# Altium PCB PROC054D_MMWCAS_RF_EVM_ASCII.PcbDoc (part 4 of 13) (continued)
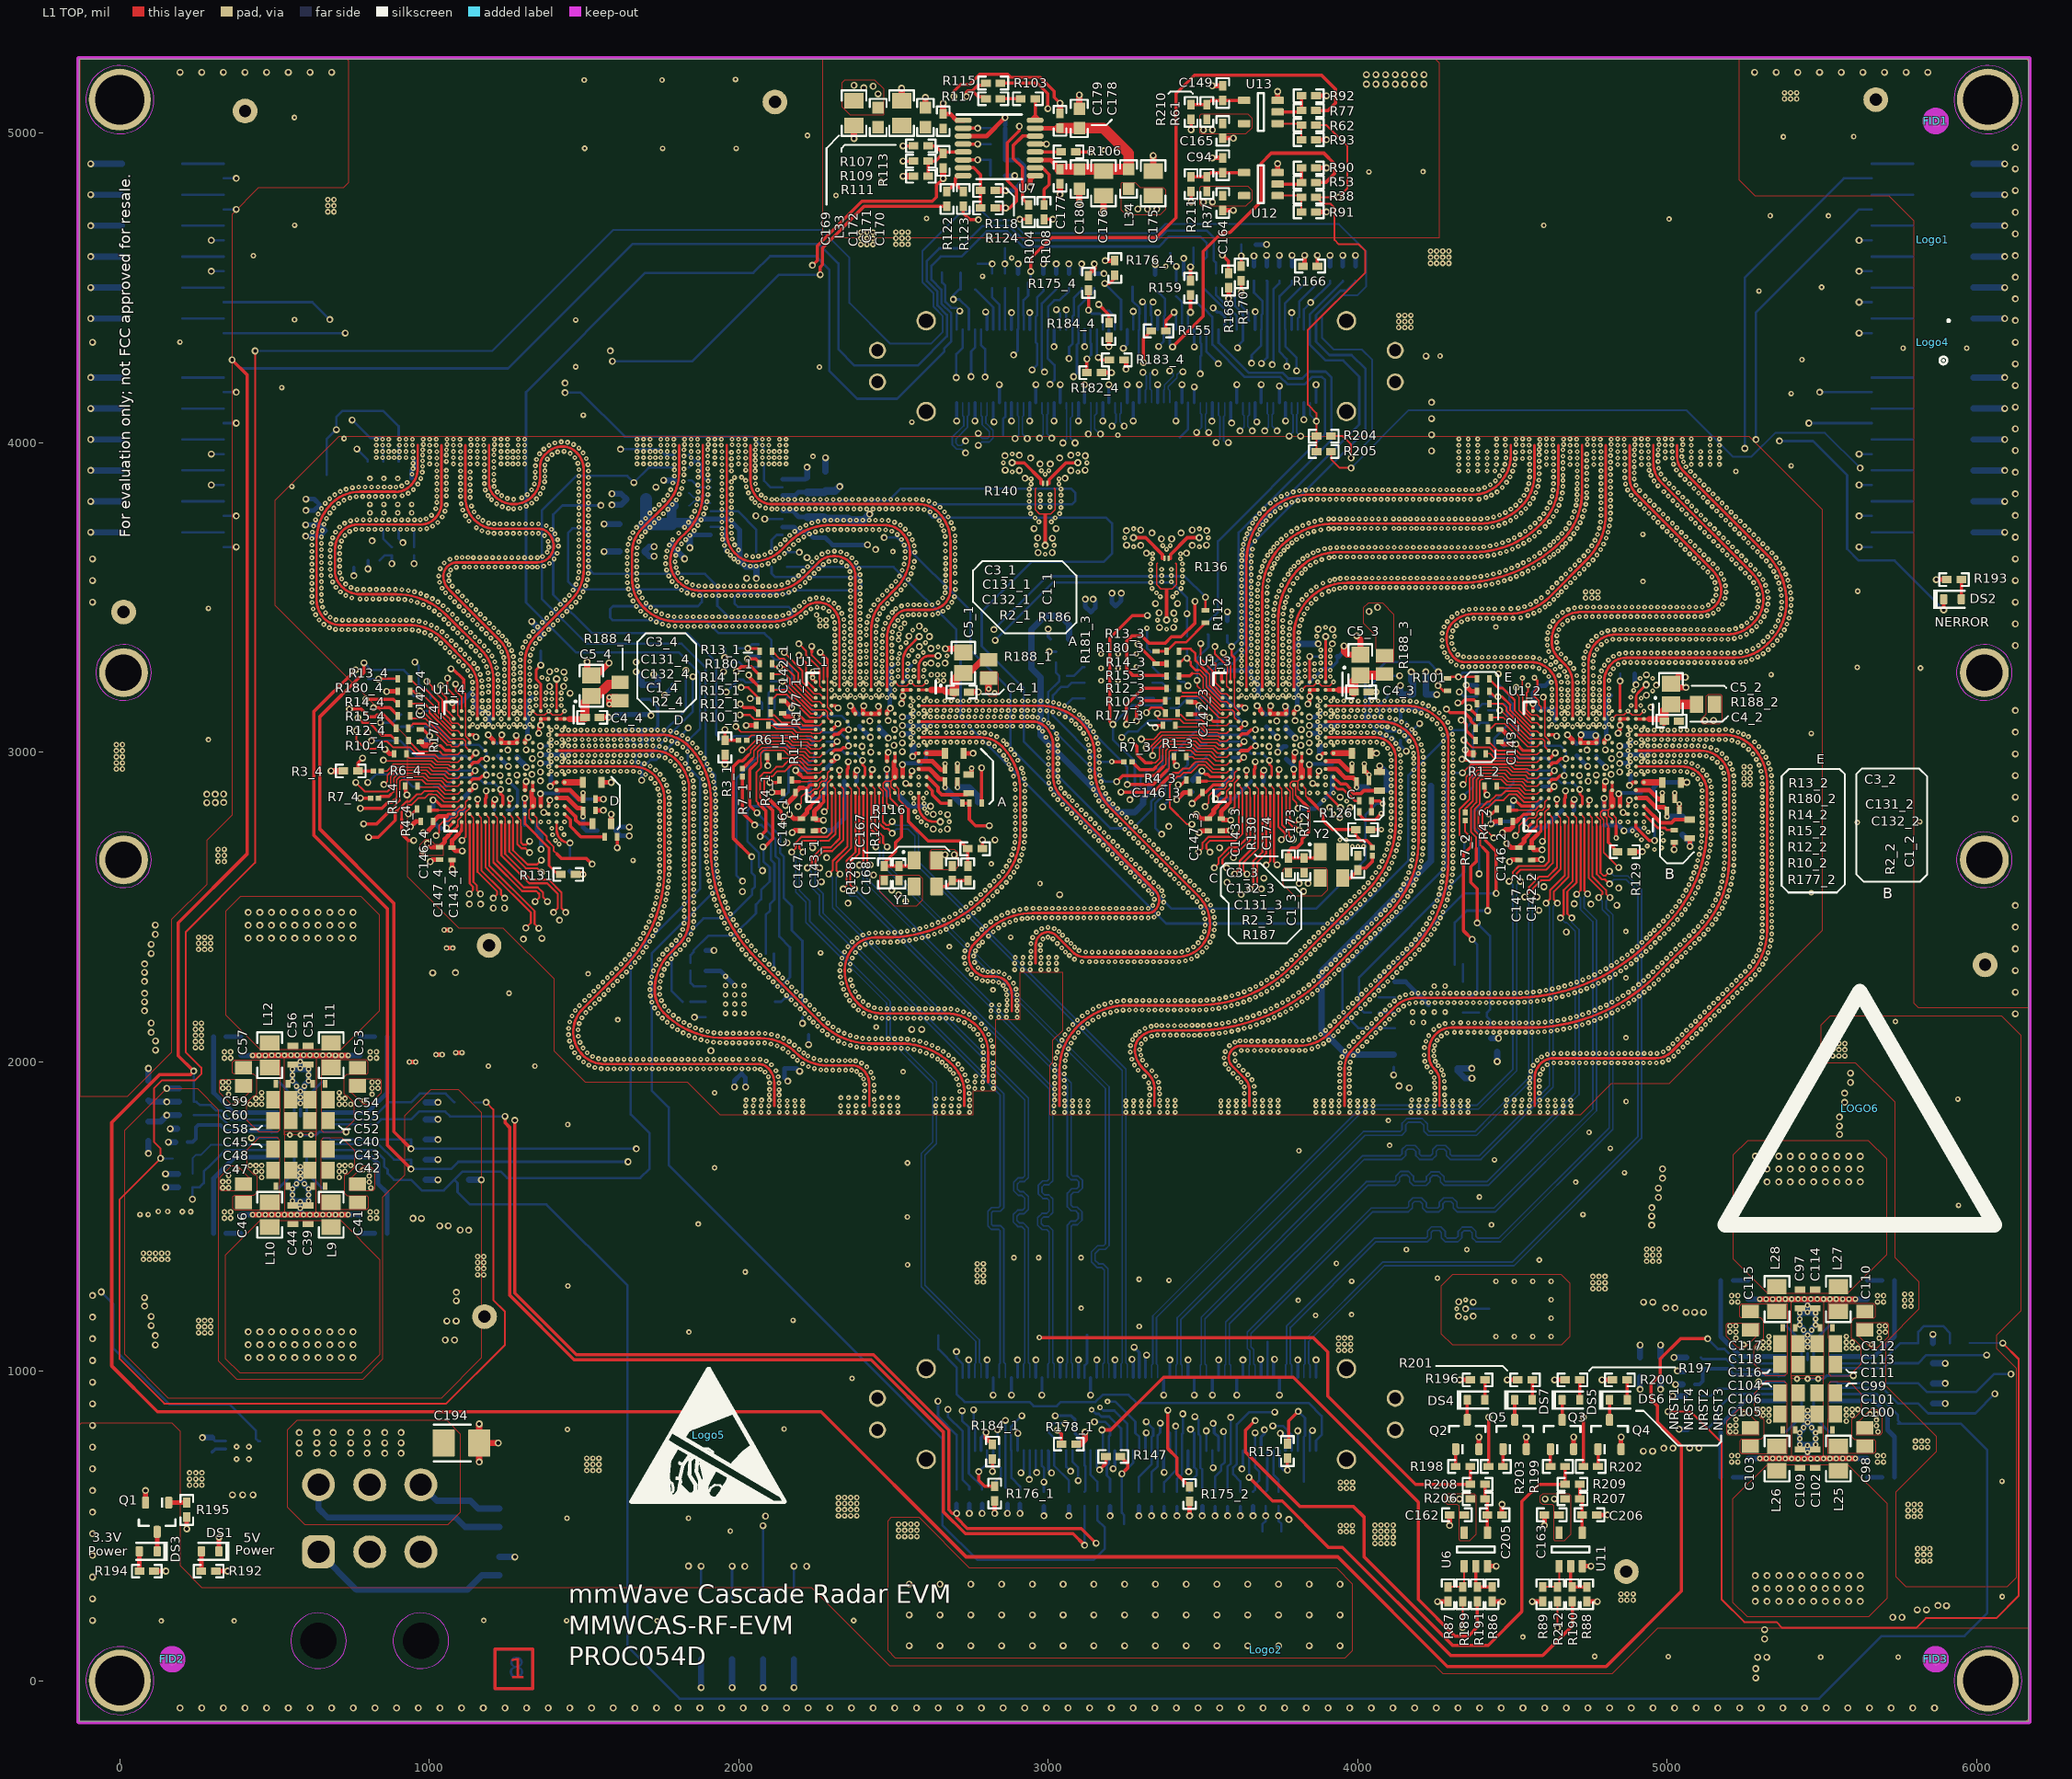
[diagram p0: L1 TOP view]
## Nets (pads, with @x,y where several pads share a name; then routed paths per layer and width w, separated by ;. In a path a pad name is that pad's centre, name@x,y a point inside that pad or via, vN(x,y) a via of type N, cw(c..) or ccw(c..) an arc to the next point about the centre after c; other vN are vias at no path point) (continued)
  L6 SIGNAL 3 w6.9: v2(2263.49,3322.67) 2263.49,3353.32 2239.48,3377.33 2142.06,3377.33 2107.9,3411.49 1990.67,3411.49 1924.73,3345.55 1924.73,3229.2 1860.85,3165.32 1860.85,3063.81 1829.96,3032.91 1829.96,2544.05 1697.85,2411.94 1697.85,1434.39 2495.79,636.45 2838.87,636.45 2986.34,783.92 3039.73,783.92 3054.85,799.04 v2(3054.85,830.65)
  L8 BOTTOM w7.75: v2(3054.85,830.65) 3053.5,832 3010,832 3001,823 3001,803 3019.17,784.83 3019.17,694.84 3067,647.01 R179_1.1@3067,610.42
AWR_1_UART_TX: J4.78 R11_1.1 R178_1.1 | length 3825.5
  L1 TOP w10.5: v2(3030,809.77) 3043.1,796.67 R178_1.1@3043.1,764
  L6 SIGNAL 3 w6.9: v2(1959.74,3193.74) 1911.83,3193.74 1874.64,3156.55 1874.64,3055.33 1843.95,3024.65 1843.95,2530.52 1723.87,2410.44 1723.87,1439.96 2511.93,651.9 2829.9,651.9 2987.77,809.77 v2(3030,809.77)
  L8 BOTTOM w7.75: v2(1959.74,3193.74) 1999.75,3233.75 2014.57,3233.75 2023.28,3225.04 2060.35,3225.04 R11_1.1@2064.31,3229 ; v2(3030,809.77) 3038.86,800.91 J4.78@3038.86,743.02
AWR_1_WARM_RST: J4.86 R174_1.1 U1_1.N12 | length 3041.5
  L1 TOP w4: v2(2192,2824) 2202.75,2834.75 2202.75,2855.28 2216.48,2869 2231,2869 2243,2881 2253.48,2881 2261.85,2889.37 2261.85,2899.14 2269.17,2906.46 2278.94,2906.46 2287.44,2914.96 2287.44,2932.64 U1_1.N12@2299.94,2945.13
  L6 SIGNAL 3 w6.9: v2(2192,2824) 2192,2803.17 2204.96,2790.2 2204.96,2762.94 2263.8,2704.1 2263.8,2675.75 2238.1,2650.05 2207.48,2650.05 2189.84,2632.41 2189.84,2577.22 2574.81,2192.26 2610.54,2192.26 2668.91,2133.89 2668.91,1292.88 2771.9,1189.89 2934.01,1189.89 2994.74,1129.16 2994.74,990.71 v2(3149.41,836.04)
  L8 BOTTOM w7.75: v2(3149.41,836.04) 3183.91,836.04 3200,819.95 3200,793 3196.34,789.34 3196.34,701.15 3189.35,694.16 3189.35,663.12 3200,652.47 R174_1.1@3200,610.42
AWR_1_XTAL_CLKM: C168.2 R128.1 U1_1.F14 Y1.1 | length 408.2
  L1 TOP w4: U1_1.F14@2479.07,2893.95 2484,2889.02 2484,2884.99 2489.57,2879.43 2489.57,2864.17
  L1 TOP w6: 2489.57,2864.17 2489.57,2850.64 2525.62,2814.59 2525.62,2802.6
  L1 TOP w10.5: 2525.62,2802.6 2525.62,2726.44 2507.02,2707.84 2507.02,2678.68 2470.68,2642.34 R128.1@2470.68,2631.9 C168.2@2518.3,2631.9 2548.69,2631.9 Y1.1@2567.11,2650.32
AWR_1_XTAL_CLKP: R116.2 R121.2 U1_1.E14 | length 420.2
  L1 TOP w4: U1_1.E14@2504.67,2893.95 2517.17,2881.45 2517.17,2859.55
  L1 TOP w6: 2517.17,2859.55 2517.17,2846.9 2548.46,2815.61
  L1 TOP w10.5: 2548.46,2815.61 2548.46,2775.91 2611.66,2712.71 2715.12,2712.71 R116.2@2740.15,2687.68 R121.2@2740.15,2631.9
AWR_1_XTALP_RS: C167.1 R121.1 Y1.3 | length 108.1
  L1 TOP w10.5: Y1.3@2639.95,2565.68 2671.43,2565.68 C167.1@2690.4,2584.65 R121.1@2740.15,2584.65
AWR_1V4_APLL_1: C3_1.1 U1_1.A10 | length 59.5
  L1 TOP w20: U1_1.A10@2607.03,2996.31 C3_1.1@2666.55,2996.31
AWR_1V4_APLL_2: C3_2.1 U1_2.A10 | length 59.5
  L1 TOP w20: U1_2.A10@4925.03,2902.32 C3_2.1@4984.55,2902.32
AWR_1V4_APLL_3: C3_3.1 U1_3.A10 | length 59.5
  L1 TOP w20: U1_3.A10@3922.03,2996.31 C3_3.1@3981.55,2996.31
AWR_1V4_APLL_4: C3_4.1 U1_4.A10 | length 59.5
  L1 TOP w20: U1_4.A10@1437.03,2902.31 C3_4.1@1496.55,2902.31
AWR_1V4_SYNTH_1: C1_1.1 U1_1.A13 | length 167.9
  L1 TOP w12: U1_1.A13@2607.03,2919.54 2609.65,2919.54 2643.63,2885.56 2643.63,2874.72 2655.97,2862.38 2737.61,2862.38 C1_1.1@2742.78,2867.55
AWR_1V4_SYNTH_2: C1_2.1 U1_2.A13 | length 176.2
  L1 TOP w12: U1_2.A13@4925.03,2825.54 4979.41,2771.17 5013.68,2771.17 5024.35,2781.83 C1_2.1@5073.3,2781.83 C1_2.1@5074.3,2781.83
AWR_1V4_SYNTH_3: C1_3.1 U1_3.A13 | length 178.7
  L1 TOP w10: U1_3.A13@3922.03,2919.54 3944.68,2896.89 3962.36,2896.89 3975.53,2883.72 3975.53,2877.84 3987.05,2866.33 4011.38,2866.33 ; C1_3.1@4070.8,2875.83 C1_3.1@4071.3,2875.83
  L1 TOP w12: 4011.38,2866.33 4020.89,2875.83 C1_3.1@4070.8,2875.83
AWR_1V4_SYNTH_4: C1_4.1 U1_4.A13 | length 120.8
  L1 TOP w12: U1_4.A13@1437.03,2825.54 1439.65,2825.54 1473.63,2791.56 1473.63,2780.72 1485.97,2768.38 C1_4.1@1527.76,2768.38
AWR_2_1V0_RF1_FILT: C79.1 C80.1 C83.1 C136_2.1 C137_2.1 C138_2.1 C139_2.1 L20.2 U1_2.G5 U1_2.H5 U1_2.J5 | length 173.1
  L1 TOP w15: v2(4722.09,3055.57) 4720.3,3053.78 U1_2.J5@4720.3,3030.27 U1_2.G5@4771.48,3030.27 4771.48,3046.51 4769.34,3048.65 v2(4769.34,3053.83)
  L8 BOTTOM w25: v2(4722.09,3055.57) 4767.6,3055.57 v2(4769.34,3053.83) 4772.38,3050.79 C136_2.1@4772.38,3031.63
  other v3: 5809.67,387.13 5829.35,387.13 5849.04,387.13 5809.67,406.82 5829.35,406.82 5849.04,406.82 5809.67,426.5 5829.35,426.5 5849.04,426.5 5535.39,2018.67 5555.07,2018.67 5574.76,2018.67 5535.39,2038.36 5555.07,2038.36 5574.76,2038.36 5535.39,2058.04 5555.07,2058.04 5574.76,2058.04 4737.01,3498.22 4756.69,3498.22 4776.38,3498.22 4737.01,3517.91 4756.69,3517.91 4776.38,3517.91
AWR_2_1V0_RF2_FILT: C85.1 C140_2.1 C141_2.1 C166.1 C201.1 L21.2 R188_2.2 U1_2.C2 U1_2.D2 | length 74.2
  L1 TOP w12: v2(4842,3061) 4842,3066 4848.25,3072.25 v2(4848.25,3087.15) 4848.25,3107.04 U1_2.C2@4873.85,3107.04
  other v2: 5122.68,3102.3 5150.17,3102.3
  other v3: 5778.93,530.15 5798.61,530.15 5818.3,530.15 5778.93,549.83 5798.61,549.83 5818.3,549.83 5778.93,569.52 5798.61,569.52 5818.3,569.52 5248.79,2894.28 5268.48,2894.28 5248.79,2913.96 5268.48,2913.96 5248.79,2933.65 5268.48,2933.65 5248.79,2953.33 5268.48,2953.33
AWR_2_1V2_FILT: C71.1 C72.1 C73.1 C142_2.1 C143_2.1 C144_2.1 C145_2.1 C146_2.1 C147_2.1 L17.2 U1_2.F13 U1_2.N11 U1_2.P14 U1_2.P15 U1_2.R6 U1_2.R14 | length 700.3
  L1 TOP w4: 4579.5,2763.69 4579.5,2779.5 4592.35,2792.35 U1_2.P14@4592.35,2799.95
  L1 TOP w8: 4571.43,2752.28 4579.5,2760.36 4579.5,2763.69 ; 4592.35,2751.01 U1_2.P15@4592.35,2774.36
  L1 TOP w10: v2(4512,3026) 4514,3026 4535.32,3004.68 U1_2.R6@4566.76,3004.68 ; 4520,2783 4536,2799 4548,2799 4548.96,2799.96 U1_2.R14@4566.76,2799.95 ; 4548.75,2729.6 4571.43,2752.28 ; 4582.25,2734.86 4592.35,2744.95 4592.35,2751.01
  L1 TOP w12: v2(4796.51,2850.72) 4796.51,2843.18 4797.07,2842.62 U1_2.F13@4797.07,2825.55
  L1 TOP w15: C143_2.1@4459.99,3033.71 4468.7,3025 4511,3025 v2(4512,3026) ; v2(4468,2740) 4478,2750 4493,2750 4501.58,2758.58 C146_2.1@4501.58,2776 4513,2776 4520,2783 ; v2(4482,2705) 4495.42,2691.58 C147_2.1@4521,2691.58 ; C147_2.1@4521,2693 4538,2710 4538,2718.86 4548.75,2729.6 ; 4582.25,2734.86 4562,2714.6 C142_2.1@4562,2691.58 4569.28,2684.3 v2(4596,2684.3) ; U1_2.N11@4617.94,2876.73 4623.02,2876.73 v2(4635.19,2888.9)
  L8 BOTTOM w12: C144_2.1@4596.3,2888.9 v2(4635.19,2888.9)
  L8 BOTTOM w15: C145_2.1@4796.51,2803.84 v2(4796.51,2850.72)
  other v3: 4760.3,1266.47 4779.98,1266.47 4799.67,1266.47 4760.3,1286.15 4779.98,1286.15 4799.67,1286.15 4760.3,1305.84 4779.98,1305.84 4799.67,1305.84
AWR_2_1V8_FILT: C75.1 C76.1 C77.1 C128_2.1 C129_2.1 C130_2.1 C131_2.1 C132_2.1 C133_2.1 C134_2.1 C135_2.1 L18.2 U1_2.B11 U1_2.B12 U1_2.D13 U1_2.F5 U1_2.K5 U1_2.K13 | length 719.1
  L1 TOP w8: v2(4843.79,2865.6) v2@4845.02,2866.83
  L1 TOP w12: U1_2.B12@4899.44,2851.13 4908.67,2851.13
  L1 TOP w15: v2@4678.39,3055.45 4694.71,3039.13 U1_2.K5@4694.71,3030.27 ; U1_2.K13@4694.71,2825.55 4694.71,2841.82 v2(4700.03,2847.14) ; U1_2.F5@4797.07,3030.27 4797.07,3036.78 v2(4807.99,3047.7) ; v2(4843.79,2865.6) 4843.79,2859.7 4848.25,2855.24 U1_2.D13@4848.25,2825.55 ; U1_2.B11@4899.44,2876.73 4943.64,2876.73 4972.35,2848.02 C131_2.1@4984.84,2848.02 v3(4984.84,2868.39) ; 4908.67,2851.13 4934.49,2851.13 4962.9,2822.72 4989.18,2822.72 C132_2.1@4999.84,2812.06 v3(4999.84,2791.69)
  L8 BOTTOM w12: v2(4843.79,2865.6) 4846.19,2868 C134_2.1@4916.09,2868
  L8 BOTTOM w15: v2(4678.39,3055.45) 4706.15,3027.69 C129_2.1@4707.89,3027.69 ; C135_2.1@4699.3,2812 v2@4699.3,2846.41 ; v2(4807.99,3047.7) 4803.23,3052.46 C128_2.1@4803.23,3125.03 4803.23,3169.13 C130_2.1@4817.9,3183.8
  L8 BOTTOM w20: v3(4999.84,2791.69) C133_2.1@5050.19,2791.69
AWR_2_BSS_LOGGER: J4.103 R14_2.1 | length 3131.9
  L1 TOP w10.5: v2(4324,3159) 4336.84,3159 4346.84,3169 4376.09,3169 R14_2.1@4388.09,3157
  L6 SIGNAL 3 w6.9: v2(3533,688) 3469.33,751.67 3399.76,751.67 3339.79,811.63 3339.79,956.28 3368.57,985.06 3368.57,1813.48 4002.57,2447.49 4002.57,2645.1 4122.53,2765.06 4122.53,2909.53 4306.11,3093.11 4306.11,3116.58 4326.36,3136.83 v2@4326.36,3161.36
  L8 BOTTOM w7.75: J4.103@3530.98,743.02 3530.98,690.02 v2(3533,688)
AWR_2_CSI2_CLK_N: J4.50 U1_2.J14 | length 2638.5
  L1 TOP w4: U1_2.J14@4720.3,2799.95 4732.89,2787.37 4732.89,2768.68
  L1 TOP w6.5: 4732.89,2768.68 4732.89,2552.11 v2(4743,2542)
  L8 BOTTOM w5.25: J4.50@3668.78,979.24 3668.78,1019.05 3664,1023.83 3664,1069.26 3655.29,1077.97 3655.29,1121.25 4048.78,1514.73 4164.46,1514.73 4177.11,1527.39 4177.11,1541.03 4183.67,1547.59 4202.22,1547.59 4209.92,1539.89 4209.92,1526.46 4221.7,1514.68 4263.03,1514.68 ; 4263.37,1514.76 4276.08,1527.47 4276.08,1541.11 4282.64,1547.67 4302.05,1547.67 4308.89,1540.83 4308.89,1526.63 4320.78,1514.73 4445.8,1514.73 4772.26,1841.19 4772.26,2456.72 4732,2496.98 4732,2531 v2(4743,2542)
AWR_2_CSI2_CLK_P: J4.49 U1_2.J15 | length 2609.1
  L1 TOP w6.5: v2(4708,2541) 4720.89,2553.89 4720.89,2773.78 U1_2.J15@4720.3,2774.36
  L8 BOTTOM w5.25: J4.49@3649.09,979.24 3649.09,1019.37 3652,1022.28 3652,1064.29 3643.29,1073 3643.29,1126.22 4043.81,1526.73 4159.49,1526.73 4165.11,1532.36 4165.11,1546 4178.7,1559.59 4207.19,1559.59 4221.92,1544.86 4221.92,1531.43 4226.67,1526.68 4258.32,1526.68 4264.08,1532.44 4264.08,1546.09 4277.67,1559.67 4307.02,1559.67 4320.89,1545.8 4320.89,1531.6 4325.75,1526.73 4440.83,1526.73 4760.26,1846.16 4760.26,2451.75 4720,2492.01 4720,2529 v2(4708,2541)
AWR_2_CSI2_TX0_N: J4.59 U1_2.G14 | length 2631.7
  L1 TOP w4: U1_2.G14@4771.48,2799.95 4771.48,2792.52 4784.58,2779.42 4784.58,2760.51
  L1 TOP w6.5: 4784.58,2760.51 4784.58,2610.42 4794,2601 4801.2,2601 v2(4814,2614.8)
  L8 BOTTOM w5.25: J4.59@3845.94,979.24 3845.94,1020.37 3841.9,1024.41 3841.9,1096.24 4086.26,1340.61 4505.65,1340.61 4917.46,1752.42 4917.46,2555.99 4873.26,2600.19 4828.61,2600.19 v2(4814,2614.8)
AWR_2_CSI2_TX0_P: J4.58 U1_2.G15 | length 2601
  L1 TOP w6.5: U1_2.G15@4771.48,2774.36 4772.07,2773.78 4772.07,2761.02 4772.58,2760.51 4772.58,2605.44 4789.02,2589 4799,2589 v2(4814,2574)
  L8 BOTTOM w5.25: J4.58@3826.26,979.24 3826.26,1020.21 3829.9,1023.85 3829.9,1101.21 4081.29,1352.61 4500.68,1352.61 4905.46,1757.39 4905.46,2551.01 4868.29,2588.19 4828.19,2588.19 v2(4814,2574)
AWR_2_CSI2_TX1_N: J4.56 U1_2.H14 | length 2631
  L1 TOP w4: U1_2.H14@4745.89,2799.95 4758.48,2787.37 4758.48,2760
  L1 TOP w6.5: 4758.48,2760 4758.48,2598.5 4803,2553.98 4803,2542.4 v2(4815.4,2530)
  L8 BOTTOM w5.25: J4.56@3786.89,979.24 3786.89,1020.09 3782.8,1024.18 3782.8,1141.04 4059.79,1418.03 4225.71,1418.03 4238.01,1430.33 4238.01,1448.14 4243.74,1453.87 4264.3,1453.87 4270.82,1447.34 4270.82,1430.95 4284.25,1417.53 4323.22,1417.53 4336.98,1431.29 4336.98,1447.13 4343.24,1453.39 4363.52,1453.39 4369.79,1447.12 4369.79,1430.94 4383.1,1417.63 4461.62,1417.63 4824.71,1780.72 4824.71,2474.27 4803,2495.98 4803,2517.6 v2(4815.4,2530)
AWR_2_CSI2_TX1_P: J4.55 U1_2.H15 | length 2599.9
  L1 TOP w6.5: U1_2.H15@4745.89,2774.36 4746.48,2773.78 4746.48,2593.52 4791,2549 4791,2542 v2(4779,2530)
  L8 BOTTOM w5.25: J4.55@3767.2,979.24 3767.2,1019.9 3770.8,1023.5 3770.8,1146.01 4054.82,1430.03 4220.74,1430.03 4226.01,1435.3 4226.01,1453.11 4238.77,1465.87 4269.27,1465.87 4282.82,1452.31 4282.82,1435.92 4289.22,1429.53 4318.25,1429.53 4324.98,1436.26 4324.98,1452.1 4338.27,1465.39 4368.5,1465.39 4381.79,1452.09 4381.79,1435.91 4388.07,1429.63 4456.65,1429.63 4812.71,1785.69 4812.71,2469.3 4791,2491.01 4791,2518 v2(4779,2530)
AWR_2_CSI2_TX2_N: J4.46 U1_2.K14 | length 2631.7
  L1 TOP w4: U1_2.K14@4694.71,2799.95 4707.3,2787.37 4707.3,2764
  L1 TOP w6.5: v2(4691.96,2464) 4678,2477.96 4678,2549 4707.3,2578.3 4707.3,2764
  L8 BOTTOM w5.25: J4.46@3590.04,979.24 3590.04,1018.46 3585.7,1022.8 3585.7,1152.93 4032.94,1600.17 4122.87,1600.17 4135.51,1612.82 4135.51,1624.8 4143.74,1633.02 4160.39,1633.02 4168.32,1625.09 4168.32,1611.89 4180.11,1600.11 4221.44,1600.11 ; 4221.77,1600.19 4234.48,1612.9 4234.48,1623.93 4241.96,1631.4 4258.95,1631.4 4267.3,1623.05 4267.3,1612.06 4279.18,1600.17 4422.19,1600.17 4715.33,1893.31 4715.33,2426.66 4691.96,2450.03 v2(4691.96,2464)
AWR_2_CSI2_TX2_P: J4.45 U1_2.K15 | length 2612.9
  L1 TOP w6.5: v2(4655.56,2464) 4666,2474.44 4666,2553.98 4695.3,2583.28 4695.3,2773.78 U1_2.K15@4694.71,2774.36
  L8 BOTTOM w5.25: J4.45@3570.35,979.24 3570.35,1018.25 3573.7,1021.6 3573.7,1157.9 4027.97,1612.17 4117.9,1612.17 4123.51,1617.79 4123.51,1629.77 4138.77,1645.02 4165.37,1645.02 4180.32,1630.06 4180.32,1616.86 4185.08,1612.11 4216.72,1612.11 4222.48,1617.87 4222.48,1628.9 4236.99,1643.4 4263.92,1643.4 4279.3,1628.03 4279.3,1617.03 4284.15,1612.17 4417.22,1612.17 4703.33,1898.29 4703.33,2421.69 4676.02,2449 4670.56,2449 v2(4655.56,2464)
AWR_2_CSI2_TX3_N: J4.42 U1_2.L14 | length 2631
  L1 TOP w4: U1_2.L14@4669.12,2799.95 4681.71,2787.37 4681.71,2763.9
  L1 TOP w6.5: v2(4645.4,2512) 4634.3,2523.1 4634.3,2549.3 4681.71,2596.71 4681.71,2763.9
  L8 BOTTOM w5.25: J4.42@3511.3,979.24 3511.3,1018.83 3506.8,1023.33 3506.8,1169.07 4021.78,1684.05 4142.6,1684.05 4155.31,1696.76 4155.31,1710.41 4161.86,1716.96 4180.42,1716.96 4188.12,1709.27 4188.12,1695.83 4199.9,1684.05 4241.23,1684.05 ; 4241.57,1684.13 4254.28,1696.84 4254.28,1710.49 4260.83,1717.05 4279.39,1717.05 4287.09,1709.35 4287.09,1696 4299.04,1684.05 4398.76,1684.05 4632,1917.29 4632,2499.6 4644.4,2512 v2(4645.4,2512)
AWR_2_CSI2_TX3_P: J4.41 U1_2.L15 | length 2599.6
  L1 TOP w6.5: v2(4609,2512) 4622.3,2525.3 4622.3,2554.28 4669.71,2601.69 4669.71,2773.78 U1_2.L15@4669.12,2774.36
  L8 BOTTOM w5.25: J4.41@3491.61,979.24 3491.61,1018.86 3494.8,1022.05 3494.8,1174.04 4016.81,1696.05 4137.62,1696.05 4143.31,1701.73 4143.31,1715.38 4156.89,1728.96 4185.39,1728.96 4200.12,1714.24 4200.12,1700.8 4204.87,1696.05 4236.51,1696.05 4242.28,1701.81 4242.28,1715.46 4255.86,1729.05 4284.36,1729.05 4299.09,1714.32 4299.09,1700.97 4304.01,1696.05 4393.79,1696.05 4620,1922.26 4620,2500 4609,2511 v2(4609,2512)
AWR_2_DIG_SYNCIN: R133.2 R185_2.2 U1_2.N10 | length 3936
  L1 TOP w10.5: U1_2.N10@4617.94,2902.32 4628.04,2912.42 4642.59,2912.42 4654.16,2924 v2(4668,2924)
  L8 BOTTOM w7.75: R133.2@2155.48,3598.46 2500.19,3598.46 2703,3395.65 2703,3314.92 2716.94,3300.98 2716.94,3110.25 3381.23,2445.95 3960.85,2445.95 4164.02,2649.12 4164.02,2924.56 4309.95,3070.49 4342.75,3070.49 4384.4,3112.14 4384.4,3136.89 4403.69,3156.18 4473.32,3156.18 4483.8,3145.7 4483.8,3086.14 4442.28,3044.62 4442.28,2991.61 4452.84,2981.05 R185_2.2@4473.9,2981.05 4607.81,2981.05 4621.86,2967 4646.99,2967 4668,2945.99 v2(4668,2924)
AWR_2_DIG_SYNCIN_RS: R133.1 U8.14 | length 253.9
  L3 SIGNAL 1 w5.1: v2(2083.93,3753) 2191.23,3645.7 v2(2195.79,3645.7)
  L8 BOTTOM w7.75: v2(2083.93,3753) U8.14@2141.18,3753 ; R133.1@2155.48,3645.7 v2(2195.79,3645.7)
AWR_2_DIG_SYNCOUT: R1_2.1 R152.1 TP1_2.1 | length 3044.3
  L1 TOP w10.5: R1_2.1@4412.1,2890.99 4412.1,2867.89 v2(4418,2861.99)
  L6 SIGNAL 3 w6.9: v2(3744,532.56) 3732.91,521.46 3732.91,505.34 3744.98,493.27 3788.53,493.27 3803.17,507.91 3803.17,539.62 3765.49,577.29 3742.43,577.29 3733.1,586.62 3733.1,674.16 3644.21,763.05 3644.21,861.7 3667.25,884.74 3667.25,976.25 3709.98,1018.98 3709.98,1770.86 4259.38,2320.27 4259.38,2586.9 4363.53,2691.04 4406.64,2691.04 4415.06,2699.47 4415.06,2734.22 4427.49,2746.65 4440.17,2746.65 4451.46,2757.94 4451.46,2806.48 4418,2839.94 v2(4418,2861.99)
  L8 BOTTOM w7.75: R152.1@3744,563.18 v2(3744,532.56) 3744,516.18 3754,506.18 TP1_2.1@3754,481.94
AWR_2_FMCW_CLKOUT: R79.1 U1_2.B15 | length 132.7
  L1 TOP w10.5: U1_2.B15@4899.44,2774.36 4899.44,2757.56 4942.61,2714.39 v2(4959.41,2714.39)
  L8 BOTTOM w7.75: v2(4959.41,2714.39) R79.1@4959.41,2752.44
AWR_2_FMCW_SYNCOUT: R82.1 U1_2.D1 | length 120.9
  L1 TOP w8.4: U1_2.D1@4848.26,3132.63 v2(4848.26,3229.68)
  L8 BOTTOM w7.75: v2(4848.26,3229.68) R82.1@4848.26,3253.5
AWR_2_GPIO_0: J4.105 R16_2.2 U1_2.N4 | length 3163.3
  L1 TOP w10.5: U1_2.N4@4617.94,3055.86 4638.97,3055.86 v2(4643.09,3051.75)
  L6 SIGNAL 3 w6.9: v2(3566.68,804.67) 3555.65,815.7 3555.65,961.67 3590.83,996.86 3590.83,1801.03 4166.06,2376.27 4166.06,2606.38 4249.81,2690.14 4249.81,2771.27 4295.12,2816.58 4356.42,2816.58 4379.78,2839.94 4379.78,2962.49 4394.32,2977.02 4394.32,3063.38 4427.51,3096.57 4554.39,3096.57 4599.21,3051.75 v2(4643.09,3051.75)
  L8 BOTTOM w7.75: R16_2.2@3539,610.42 3539,658.79 3558.6,678.39 3558.6,693.37 3570.35,705.13 J4.105@3570.35,743.02 3570.35,801 v2(3566.68,804.67)
AWR_2_GPIO_1: J4.106 R17_2.2 U1_2.N7 | length 3146.2
  L1 TOP w10.5: U1_2.N7@4617.94,2979.09 4620.38,2979.09 v2(4638.69,2997.4)
  L6 SIGNAL 3 w6.9: v2(3589.93,850.67) 3567.55,873.05 3567.55,946.09 3608.52,987.07 3608.52,1785.11 4185.77,2362.36 4185.77,2605.64 4266.34,2686.21 4266.34,2761.98 4305.01,2800.65 4359.66,2800.65 4393.49,2834.47 4393.49,2953.95 4409.58,2970.04 4409.58,3058.25 4435.5,3084.17 4533.53,3084.17 4620.31,2997.4 v2(4638.69,2997.4)
  L8 BOTTOM w7.75: R17_2.2@3580,610.42 3580,692.09 3590.04,702.12 J4.106@3590.04,743.02 3590.04,823.96 3589.93,824.07 v2(3589.93,850.67)
AWR_2_GPIO_2: J4.107 R18_2.2 U1_2.N13 | length 2823.6
  L1 TOP w4: 4605.44,2769 4605.44,2806.5 4617.94,2819 U1_2.N13@4617.94,2825.55
  L1 TOP w6: v2(4597,2712) 4605.44,2720.44 4605.44,2769
  L6 SIGNAL 3 w6.9: v2(3732.19,867.47) 3752.66,847 3818.66,847 3889.34,917.68 3889.34,1474.69 4303.07,1888.42 4303.07,1971.5 4479.66,2148.09 4479.66,2523.58 4513.88,2557.79 4556.22,2557.79 4582.14,2583.71 4582.14,2617.62 4566.62,2633.14 4566.62,2699.53 4579.09,2712 v2(4597,2712)
  L8 BOTTOM w7.75: R18_2.2@3621,610.42 3621,644.04 3597.71,667.34 3597.71,688.23 3609.72,700.24 J4.107@3609.72,743.02 3609.72,827.72 3649.47,867.47 v2(3732.19,867.47)
AWR_2_LVDS_FRCLK_N: J4.38 U1_2.M14 | length 2632
  L1 TOP w4: U1_2.M14@4643.53,2799.95 4656.12,2787.37 4656.12,2759
  L1 TOP w6.5: v2(4579.62,2532) 4566,2545.62 4566,2559 4593,2586 4619.98,2586 4656.12,2622.14 4656.12,2759
  L8 BOTTOM w5.25: J4.38@3432.56,979.24 3432.56,1019.18 3428.95,1022.79 3428.95,1167.45 4023.56,1762.06 4142.63,1762.06 4155.4,1774.83 4155.4,1795.95 4163.52,1804.07 4203.9,1804.07 4213.98,1793.98 4213.98,1775.41 4227.25,1762.14 4384.22,1762.14 4424.51,1802.43 4565,1942.92 4565,2428.26 4565,2517.38 v2(4579.62,2532)
AWR_2_LVDS_FRCLK_P: J4.37 U1_2.M15 | length 2601.2
  L1 TOP w6.5: v2(4540,2532) 4554,2546 4554,2563.98 4588.02,2598 4615,2598 4644.12,2627.12 4644.12,2773.78 U1_2.M15@4643.53,2774.36
  L8 BOTTOM w5.25: J4.37@3412.87,979.24 3412.87,1019.36 3416.95,1023.44 3416.95,1172.42 4018.59,1774.06 4137.66,1774.06 4143.4,1779.8 4143.4,1800.92 4158.54,1816.07 4208.87,1816.07 4225.98,1798.95 4225.98,1780.38 4232.22,1774.14 4379.25,1774.14 4436.32,1831.21 4553,1947.89 4553,2423.28 4553,2519 v2(4540,2532)
AWR_2_LVDS_VALID_N: J4.34 U1_2.N14 | length 2631.3
  L1 TOP w4: U1_2.N14@4617.94,2799.95 4630.53,2787.37 4630.53,2767.89
  L1 TOP w6.5: v2(4525.7,2582.7) 4514,2594.4 4514,2608.02 4525.98,2620 4608.98,2620 4630.53,2641.55 4630.53,2767.89
  L8 BOTTOM w5.25: J4.34@3353.82,979.24 3353.82,1019.51 3350,1023.33 3350,1173.61 4023.18,1846.8 4390.26,1846.8 4514,1970.54 4514,2571 v2(4525.7,2582.7)
AWR_2_LVDS_VALID_P: J4.33 U1_2.N15 | length 2601.6
  L1 TOP w6.5: v2(4489.3,2582.7) 4502,2595.4 4502,2613 4521,2632 4604,2632 4618.53,2646.53 4618.53,2773.78 U1_2.N15@4617.94,2774.36
  L8 BOTTOM w5.25: J4.33@3334.13,979.24 3334.13,1019.52 3338,1023.39 3338,1178.59 4018.21,1858.8 4385.28,1858.8 4502,1975.51 4502,2570 v2(4489.3,2582.7)
AWR_2_MCU_CLKOUT: R5_2.1
AWR_2_MSS_LOGGER: J4.102 R15_2.1 | length 3005.3
  L1 TOP w10.5: v2(4359,3144) 4386,3117 R15_2.1@4388.1,3117
  L6 SIGNAL 3 w6.9: v2(3511,807) 3488.26,784.26 3410.79,784.26 3387.55,807.5 3387.55,839.33 3363.96,862.92 3363.96,884.16 3396.24,916.45 3396.24,954.67 3432.01,990.43 3432.01,1819.83 4040.05,2427.87 4040.05,2629.92 4153.54,2743.41 4153.54,2886.18 4359,3091.64 v2(4359,3144)
  L8 BOTTOM w7.75: v2(3511,807) 3511.3,806.7 J4.102@3511.3,743.02
AWR_2_NERROR_IN: R177_2.1 U1_2.P7 | length 194.9
  L1 TOP w4: R177_2.1@4414.4,2995 4427.74,2995 4441.74,2981 4501,2981 4515.41,2966.59 4579.85,2966.59 U1_2.P7@4592.35,2979.09
AWR_2_NERROR_OUT: R9_2.1 R156.1 | length 38.9
  L8 BOTTOM w7.75: R9_2.1@4560.6,3020.95 R156.1@4560.6,3059.85
AWR_2_NRST: R199.2 R209.2 U1_2.P12 | length 4812.5
  L1 TOP w4: 4558.6,2838.64 4579.85,2838.64 U1_2.P12@4592.35,2851.13
  L1 TOP w6: v2(4440,2723) 4403.15,2759.85 4403.15,2805.89 4418.19,2820.93 4422.09,2820.93 4445.7,2844.53 4471.38,2844.53 4490.85,2864 4512,2864 4537.36,2838.64 4558.6,2838.64
  L1 TOP w10.5: v2(3669,840) 3636.87,807.87 3636.87,739.62 3814.47,562.02 3987.2,562.02 4021.52,527.7 4021.52,399.21 4306.81,113.92 4421.85,113.92 4531.11,223.18 4531.11,578.81 4586.69,634.4 R209.2@4670.68,634.4 R199.2@4670.68,691.84
  L6 SIGNAL 3 w6.9: v2(3669,840) 3695.63,866.63 3695.63,928.66 3762.65,995.67 3762.65,1755.12 4082.33,2074.81 4256.37,2074.81 4332.27,2150.71 4332.27,2335.26 4312.91,2354.62 4312.91,2584.79 4377.45,2649.33 4416.1,2649.33 4442.26,2623.18 4507.4,2623.18 4519.76,2635.54 4519.76,2658.36 4505.02,2673.1 4466.51,2673.1 4440,2699.61 v2(4440,2723)
AWR_2_NRST_HOST: J4.109 R190.1 | length 1487.6
  L1 TOP w10.5: v2(3649.09,656.84) 3725.66,580.26 3756.08,580.26 3905.7,430.64 3951.43,430.64 4300.97,81.1 4598.08,81.1 4693.44,176.46 R190.1@4693.44,255.59
  L8 BOTTOM w7.75: v2(3649.09,656.84) J4.109@3649.09,743.02
AWR_2_NRST_HOST_GS: R88.1 R190.2 U11.2 | length 116.2
  L1 TOP w10.5: U11.2@4688.44,369.58 4688.44,307.83 R190.2@4693.44,302.83 R88.1@4740.84,302.83
AWR_2_NRST_LED: Q3.1 R199.1 | length 56.1
  L1 TOP w10.5: R199.1@4623.43,691.84 Q3.1@4623.43,747.96
AWR_2_NRST_LED_PW: DS5.1 R197.1 | length 65
  L1 TOP w10.5: DS5.1@4717.92,906.78 R197.1@4717.92,971.8
AWR_2_NRST_RS: C206.1 R207.1 R209.1 U11.4 | length 156.5
  L1 TOP w10.5: R207.1@4717.92,587.15 R209.1@4717.92,634.4 ; U11.4@4725.84,477.85 C206.1@4725.84,535.63 R207.1@4725.84,587.15
AWR_2_OSC_CLKOUT: J2.3 R2_2.1 | length 4854.2
  L1 TOP w10.5: v2(5022.77,2685.2) R2_2.1@5022.77,2708.4
  L6 SIGNAL 3 w6.9: v2(1978.45,369.78) 1992.04,383.38 1992.04,423.84 2025.29,457.08 2223.66,457.08 2309.92,370.83 3751.97,370.82 3882.67,501.52 3882.67,767.69 4109.39,994.41 4109.4,1470.77 5041.84,2403.21 5041.84,2642.55 5041.84,2666.13 v2(5022.77,2685.2)
  L8 BOTTOM w7.75: J2.3@1978.45,264.5 v2(1978.45,369.78)
AWR_2_PMIC_CLKOUT: R4_2.1 R153.1 TP2_2.1 | length 2803.7
  L1 TOP w10.5: v2(4423,2800) 4434.09,2800 R4_2.1@4449,2814.91
  L6 SIGNAL 3 w6.9: v2(3703,532.56) 3703,661.69 3614.11,750.58 3614.11,874.17 3637.15,897.21 3637.15,989.15 3664.27,1016.27 3664.27,1789.95 4216.79,2342.47 4216.79,2602.57 4290.91,2676.69 4290.91,2747.85 4315.57,2772.51 4367.33,2772.51 4387.26,2792.44 4415.44,2792.44 v2(4423,2800)
  L8 BOTTOM w7.75: TP2_2.1@3693,481.94 3693,506.17 3703,516.17 v2(3703,532.56) R153.1@3703,563.18
AWR_2_SCL: R100.2 R180_2.1 U1_2.P4 | length 262.5
  L1 TOP w4: 4552.66,3075.16 4559.07,3068.75 4579.46,3068.75 U1_2.P4@4592.35,3055.86
  L1 TOP w6: 4493,3153 4493,3134.82 4552.66,3075.16
  L1 TOP w8: R180_2.1@4425.91,3197 4443.69,3179.22 v2(4453.92,3179.22) 4466.78,3179.22 4493,3153
  L8 BOTTOM w7.75: R100.2@4426.98,3179.22 v2(4453.92,3179.22)
AWR_2_SDA: R13_2.1 R101.2 R181_2.1 | length 167.3
  L1 TOP w8: R101.2@4291.06,3238 4297.67,3238 4302.67,3243 v2(4326,3243) 4382.1,3243 R13_2.1@4388.1,3237
  L8 BOTTOM w7.75: v2(4326,3243) 4339.41,3256.41 R181_2.1@4386.19,3256.41
AWR_2_SOP0_TDO: J4.114 R151.2 | length 119.5
  L1 TOP w10.5: v2(3773.1,680) R151.2@3773.1,718.21
  L8 BOTTOM w7.75: J4.114@3747.52,743.02 3747.52,692.48 3760,680 v2(3773.1,680)
AWR_2_SOP1_SYNCOUT: J4.113 R152.2 | length 139.3
  L8 BOTTOM w7.75: J4.113@3727.83,743.02 3727.83,665.15 3744,648.98 R152.2@3744,610.42
AWR_2_SOP2_PMICCLKOUT: J4.112 R153.2 | length 134.7
  L8 BOTTOM w7.75: R153.2@3703,610.42 3708.15,615.57 J4.112@3708.15,743.02
AWR_2_SPI_CLK1: J4.98 R182_2.2 U1_2.R9 | length 2968.4
  L1 TOP w4: v2(4341,2895) 4351,2905 4351,2920 4382,2951 4486,2951 4501,2936 4547,2936 4555.09,2927.91 U1_2.R9@4566.76,2927.91
  L6 SIGNAL 3 w6.9: v2(3435,862) 3449.67,876.67 3449.67,941.14 3510.22,1001.69 3510.22,1811.27 4102.22,2403.28 4102.22,2613 4201.52,2712.3 4201.52,2811.13 4285.4,2895 v2(4341,2895)
  L8 BOTTOM w7.75: R182_2.2@3416,610.42 3416,650.64 3432.56,667.2 3432.56,796.56 3435.93,799.93 3435.93,861.07 v2(3435,862)
AWR_2_SPI_CS1: J4.96 R175_2.1 U1_2.R7 | length 3218.5
  L1 TOP w6: v2(4344,3039) 4346.06,3039 4369.37,3015.69 4425.94,3015.69 4448.05,2993.59 4508.22,2993.59 4522.72,2979.09 U1_2.R7@4566.76,2979.09
  L1 TOP w10.5: v2(3387,873.4) 3387,749.21 3416,720.21 3416,667.47 R175_2.1@3457,626.47
  L6 SIGNAL 3 w6.9: v2(3387,873.4) 3412.85,899.25 3412.85,952.11 3472.7,1011.96 3472.7,1832.75 4061.42,2421.47 4061.42,2624.02 4169.17,2731.76 4169.17,2864.17 v2(4344,3039)
  L8 BOTTOM w7.75: v2(3387,873.4) 3387,807 3393.19,800.81 J4.96@3393.19,743.02
AWR_2_SPI_HOST_INTR1: J4.94 R10_2.2 R184_2.2 | length 3003.1
  L1 TOP w10.5: v2(4335,3103) 4338,3103 4351,3090 4351,3069.11 R10_2.2@4383.11,3037
  L6 SIGNAL 3 w6.9: v2(3362,832) 3362,848.05 3352.06,857.99 3352.06,939.89 3414.44,1002.27 3414.44,1828.83 4021.05,2435.44 4021.05,2636.83 4138.39,2754.17 4138.39,2906.39 v2(4335,3103)
  L8 BOTTOM w7.75: R184_2.2@3334,610.42 3334,672.91 3353.82,692.73 3353.82,792.82 3362,801 v2(3362,832)
AWR_2_SPI_MISO1: J4.93 R12_2.2 R176_2.1 | length 3108.8
  L1 TOP w10.5: v2(4287,3139.12) 4298.34,3127.78 4345.75,3127.78 4366,3107.53 4366,3101 4383.09,3083.91 R12_2.2@4383.09,3077
  L6 SIGNAL 3 w6.9: v2(3316.93,836.19) 3327.89,847.15 3327.89,968.03 3351.56,991.7 3351.56,1823.39 3985.68,2457.52 3985.68,2703.7 4057.42,2775.43 4091.21,2775.43 4106.66,2790.88 4106.66,2913.49 4287,3093.83 v2(4287,3139.12)
  L8 BOTTOM w7.75: R176_2.1@3293,610.42 3293,657.87 3334.13,699 J4.93@3334.13,743.02 3334.13,786.25 3339.74,791.86 3339.74,813.39 v2(3316.93,836.19)
AWR_2_SPI_MOSI1: J4.97 R183_2.2 U1_2.R8 | length 3005.3
  L1 TOP w4: v2(4337,2977) 4343,2971 4496,2971 4511,2956 4564.26,2956 U1_2.R8@4566.76,2953.5
  L6 SIGNAL 3 w6.9: v2(3412,822) 3412,872.75 3431.19,891.94 3431.19,941.87 3491.89,1002.57 3491.89,1824.28 4081.57,2413.96 4081.57,2618.71 4185.73,2722.87 4185.73,2825.73 v2(4337,2977)
  L8 BOTTOM w7.75: R183_2.2@3375,610.42 3375,640.74 3412.87,678.61 3412.87,821.13 v2(3412,822)
AWR_2_TCK: J4.116 U1_2.M13 | length 2669.4
  L1 TOP w10.5: U1_2.M13@4643.53,2825.55 4643.53,2844.23 4644.04,2844.74 v2(4644.04,2847.5)
  L6 SIGNAL 3 w6.9: v2(3726,823) 3783.74,823 3791.16,830.42 3821.98,830.42 3904.24,912.68 3904.24,1438.02 4411.48,1945.27 4411.48,1997.06 4548.37,2133.95 4548.37,2401.02 4635.89,2488.53 4662.68,2488.53 4672.77,2498.61 4672.77,2584.21 4705.59,2617.03 4705.59,2735.86 4644.04,2797.41 v2(4644.04,2847.5)
  L8 BOTTOM w7.75: v2(3726,823) 3757.94,823 3786.89,794.05 J4.116@3786.89,743.02
AWR_2_TDI: J4.119 U1_2.H13 | length 2691.3
  L1 TOP w10.5: U1_2.H13@4745.89,2825.55 4745.89,2840.98 v2(4749.6,2844.69)
  L6 SIGNAL 3 w6.9: v2(3854,808) 3884.19,808 4070.61,994.41 4070.61,1498.54 4761.96,2189.89 4761.96,2246.8 4933.97,2418.81 4933.97,2618.45 4859.78,2692.64 4819.48,2692.64 4749.6,2762.52 v2(4749.6,2844.69)
  L8 BOTTOM w7.75: J4.119@3845.94,743.02 3845.94,800.94 3853,808 v2(3854,808)
AWR_2_TDO: J4.118 R8_2.2 R151.1 TP3_2.1 | length 2857.5
  L1 TOP w10.5: R151.1@3773.1,765.45 3777.12,769.47 3777.12,839.12 v2(3808,870)
  L6 SIGNAL 3 w6.9: v2(3808,870) 3834.75,896.75 3834.75,1751.85 4098.6,2015.7 4273.22,2015.7 4423.14,2165.62 4423.14,2446.5 4374.04,2495.6 4374.04,2587.7 v2(4392.92,2606.59)
  L8 BOTTOM w7.75: v2(3808,870) 3830,848 3830,791 3826.26,787.26 J4.118@3826.26,743.02 TP3_2.1@3826.26,643.17 ; v2@4392.69,2606.82 4392.69,2738.98 4376.54,2755.13 4376.54,2809.1 4398.71,2831.27 4433.8,2831.27 4503.9,2901.37 R8_2.2@4503.9,2906
AWR_2_TMS: J4.117 U1_2.L13 | length 2770.2
  L1 TOP w10.5: U1_2.L13@4669.12,2825.55 4669.12,2850.22 4671.94,2853.04 v2(4671.94,2874.94)
  L6 SIGNAL 3 w6.9: v2(3806.57,807) 3820.34,807 3859.18,845.83 3893.1,845.83 4040.03,992.76 4040.03,1525.36 4699.87,2185.21 4699.87,2299.62 4888.92,2488.67 4888.92,2625.12 4846.55,2667.49 4809.7,2667.49 4671.94,2805.25 v2(4671.94,2874.94)
  L8 BOTTOM w7.75: J4.117@3806.57,743.02 v2(3806.57,807)